# KiCad board panel_rp2354_20x20.kicad_pcb (continued)
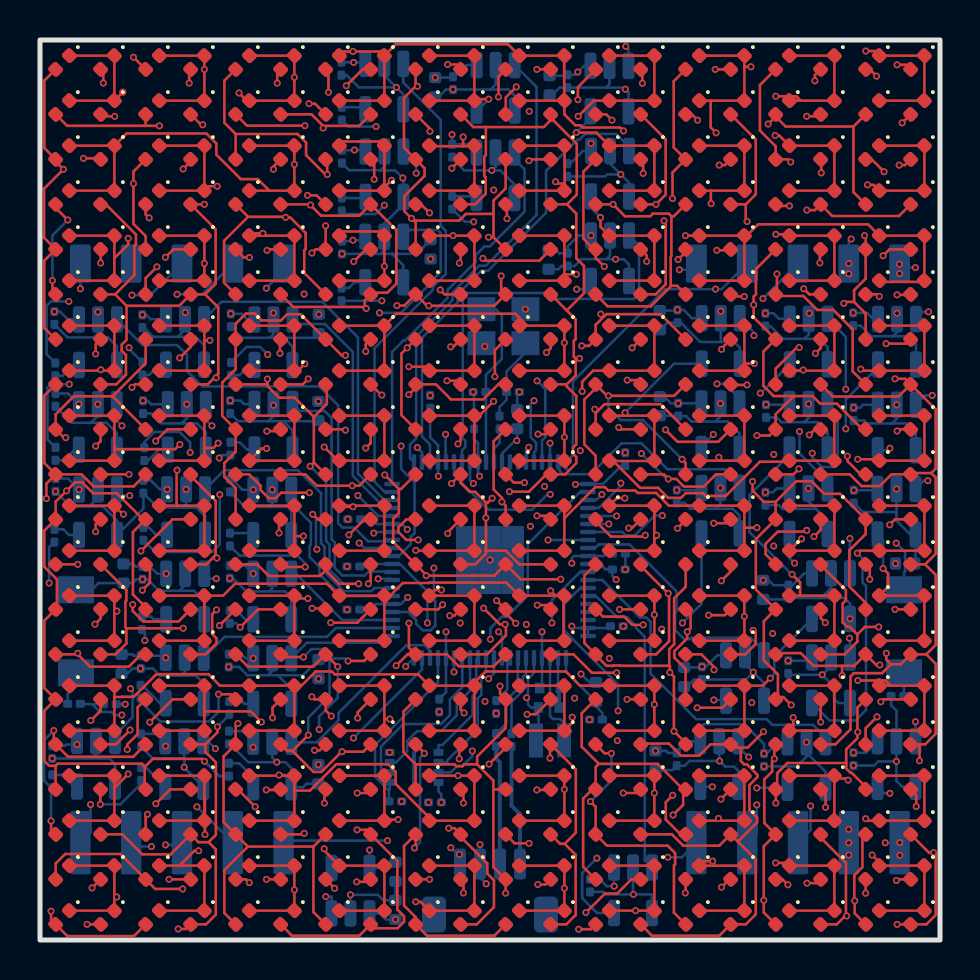
[diagram p0: board, top side]
## Routing (per net, layer and track width the routed paths; a pad name or vN(x,y) marks a point on that pad's centre or on a via; arc(x,y) is an arc through that point) (continued)
Net-(D241-A): length 158
  Top w0.127: v1(31.87,20.58) 32.28,20.99 D255.2 ; 28.18,31.16 28.31,31.29 31.02,31.29 D257.2 ; 28.18,31.16 v1(28.04,31.29) ; 28.18,31.16 27.78,30.76 D244.2 27.46,29.71 v1(27.09,29.71) ; v1(31.63,37.07) 31.63,38.38 D259.2 31.69,39.63 31.69,42.94 D260.2 ; v1(26.89,42.01) 26.89,42.64 D241.2 ; 27.86,26.42 27.78,26.35 D245.2 ; 27.86,26.42 28.23,26.79 31.02,26.79 D256.2 ; 27.86,26.42 v1(27.74,26.54) ; D246.2 27.78,20.94 28.54,20.17 30.2,20.17 v1(30.26,20.24) ; D258.2 32.28,34.4 v1(31.9,34.02) ; 32.16,7.53 D252.2 ; 32.16,7.53 32.16,6.76 v1(31.65,6.25) ; 32.16,7.53 30.88,8.81 27.94,8.81 ; D242.2 27.17,38.42 27.17,35.06 27.7,34.53 D243.2 27.78,34.11 v1(28.21,33.67) ; 27.94,8.81 27.09,9.66 27.09,11.34 D248.2 ; 27.94,8.81 27.78,8.65 D249.2 27.62,7.53 27.16,7.07 27.16,3.66 D250.2 ; D247.2 28.15,16.17 29.2,16.17 29.62,15.75 v1(30.16,15.75) ; v1(32.27,2.35) 32.28,2.37 D251.2 ; D254.2 32.53,16.29 32.53,15.58 v1(32.36,15.41) 32.36,15.08 31.72,14.44 31.72,14.12 32.28,13.55 D253.2
  In3.Cu w0.127: v1(27.74,26.54) 27.74,30.99 v1(28.04,31.29) 28.04,33.5 v1(28.21,33.67) ; v1(22.69,37.5) 23.3,38.12 23.3,40.28 v1(24.46,41.44) ; v1(32.27,2.35) 31.78,2.84 31.78,6.13 v1(31.65,6.25) 31.19,6.71 31.19,11.95 31.09,12.06 v1(31.09,15.54) 30.37,15.54 v1(30.16,15.75) 30.26,15.86 v1(30.26,20.24) 30.26,23.62 32.35,25.71 32.35,33.66 31.99,34.02 v1(31.9,34.02) 31.9,36.8 v1(31.63,37.07)
  In4.Cu w0.127: v1(24.46,41.44) 25.04,42.01 v1(26.89,42.01) ; v1(27.09,29.71) 26.87,29.49 25.84,29.49 25.25,30.08 9.82,30.08 9.21,29.47 6.83,29.47 6.61,29.25 3.36,29.25 2.94,29.67 2.63,29.67 1.47,28.51 v1(1.47,27.79) ; v1(31.63,37.07) 31.2,37.5 v1(22.69,37.5) ; v1(32.36,15.41) 31.22,15.41 v1(31.09,15.54) ; v1(28.21,33.67) 28.39,33.5 31.38,33.5 v1(31.9,34.02) ; v1(31.87,20.58) 31.86,20.6 30.63,20.6 v1(30.26,20.24)
  Bottom w0.127: R21.2 0.38,25.02 0.38,27.62 0.55,27.79 v1(1.47,27.79)
Net-(D261-A): length 150.2
  Top w0.127: v1(33.96,38.75) 34.25,38.75 D279.2 ; v1(30.16,38.33) 30.16,38.91 D262.2 ; v1(34.08,29.53) 34.08,29.58 D277.2 ; D263.2 30.33,34.23 v1(30.33,33.93) ; v1(29.16,7.35) 29.85,7.35 D269.2 ; v1(34.08,2.64) 34.47,3.03 D271.2 ; D272.2 34.53,7.53 v1(34.05,7.04) ; D266.2 29.6,20.6 v1(29.43,20.6) ; D270.2 29.57,3.03 28.86,2.32 28.25,2.32 v1(27.3,1.37) ; v1(30.12,42.84) 30.12,43.45 D261.2 ; D274.2 34.24,16.24 v1(33.43,16.24) ; v1(33.84,34.49) 34.49,34.49 D278.2 ; v1(31.27,25.51) 31.88,24.91 33.91,24.91 D276.2 ; D265.2 29.03,25.53 v1(28.94,25.63) ; v1(33.69,20.84) 34.34,20.84 D275.2 ; v1(28.98,16.53) 28.98,16.53 D267.2 ; v1(32.86,11.61) 34.11,11.61 D273.2 ; D280.2 v1(33.76,43.53) ; v1(29.61,29.61) D264.2 ; D268.2 v1(29.35,12.03)
  In3.Cu w0.127: 33.43,20.84 v1(33.43,16.24) 33.43,14.71 32.68,13.97 32.68,11.79 v1(32.86,11.61) ; 33.43,20.84 33.28,20.99 33.28,28.74 v1(34.08,29.53) ; 33.43,20.84 v1(33.69,20.84) ; v1(29.43,20.6) 29.63,20.4 29.63,17.19 v1(28.98,16.53) 28.79,16.34 28.79,14.27 29.35,13.71 v1(29.35,12.03) 29.35,7.54 v1(29.16,7.35) 29.16,2.61 27.93,1.37 v1(27.3,1.37) ; v1(28.94,25.63) 28.89,25.68 28.89,28.89 v1(29.61,29.61) 29.61,33.2 v1(30.33,33.93) 30.33,38.15 v1(30.16,38.33) 30.16,39.93 31.59,41.37 ; v1(34.05,7.04) 34.31,6.78 34.31,2.88 v1(34.08,2.64) ; 31.59,41.37 v1(33.76,43.53) ; 31.59,41.37 v1(30.12,42.84)
  In4.Cu w0.127: v1(1.44,31.93) 1.53,31.84 11.81,31.84 12.84,32.87 20.16,32.87 20.2,32.84 23.21,32.84 23.28,32.91 31.98,32.91 32.37,33.29 32.37,34.42 ; v1(28.94,25.63) 31.15,25.63 v1(31.27,25.51) ; v1(33.96,38.75) 33.55,38.33 v1(30.16,38.33) ; v1(32.86,11.61) 32.66,11.41 29.97,11.41 v1(29.35,12.03) ; v1(29.16,7.35) 29.64,6.87 33.87,6.87 v1(34.05,7.04) ; 32.37,34.42 32.44,34.49 v1(33.84,34.49) ; 32.37,34.42 30.82,34.42 v1(30.33,33.93) ; v1(29.61,29.61) 29.68,29.53 v1(34.08,29.53)
  Bottom w0.127: R22.2 0.33,29.29 0.33,31.71 0.55,31.93 v1(1.44,31.93)
Net-(D281-A): length 131.9
  Top w0.127: D292.2 32.03,5.28 31.29,6.02 31.29,6.89 v1(31.64,7.24) ; D297.2 31.71,27.21 v1(28.42,27.21) 28.35,27.21 D284.2 27.78,27.59 27.21,27.02 27.21,24.78 27.78,24.22 D285.2 ; D295.2 32.28,17.66 31.71,17.08 31.71,14.79 31.46,14.54 31.46,13.71 ; v1(27.52,6.92) 27.78,6.66 D289.2 28.35,4.72 31.38,4.72 31.76,4.34 31.76,3.79 31.7,3.73 31.7,1.37 D291.2 ; D298.2 31.86,32.71 31.57,32.71 ; v1(32.1,24.04) 32.28,23.86 D296.2 ; D283.2 28.38,31.68 30.54,31.68 31.57,32.71 ; 31.57,36.19 31.69,36.19 D299.2 ; 31.57,36.19 31.44,36.32 30.64,36.32 30.51,36.19 29.25,36.19 v1(28.65,36.78) D282.2 ; 31.57,36.19 31.57,34.2 31.54,34.17 31.54,32.74 31.57,32.71 ; 31.46,13.71 29,13.71 28.99,13.73 28.69,13.73 28.67,13.71 28.32,13.71 27.78,14.25 D287.2 27.22,14.85 27.22,18.22 D286.2 ; 31.46,13.71 31.49,13.68 v1(31.49,13.38) 31.7,13.17 v1(31.7,10.44) 32.28,9.86 D293.2 ; D281.2 28.31,41.28 v1(28.6,40.99) ; v1(33.7,13.51) 33.7,13.65 33.07,14.28 D294.2 ; D288.2 28.23,9.33 v1(28.57,9.33) ; D300.2 32.59,41.28 v1(32.88,40.99) ; D290.2 27.54,0.54 v1(26.93,0.54)
  In3.Cu w0.127: v1(28.6,40.99) 28.6,36.83 v1(28.65,36.78) 29.19,36.25 29.19,33.62 28.42,32.86 v1(28.42,27.21) ; v1(32.1,24.04) 32.3,23.84 32.3,17.37 31.59,16.66 31.59,10.55 v1(31.7,10.44) 31.64,10.38 v1(31.64,7.24) ; v1(26.93,0.54) 26.88,0.59 26.88,6.28 v1(27.52,6.92)
  In4.Cu w0.127: v1(31.7,10.44) 29.85,10.44 28.75,9.33 v1(28.57,9.33) ; v1(31.49,13.38) 31.62,13.25 33.44,13.25 v1(33.7,13.51) ; v1(28.65,36.78) 28.61,36.74 v1(17.22,36.74) ; v1(28.6,40.99) 28.68,41.07 32.8,41.07 v1(32.88,40.99)
  Bottom w0.127: R23.2 15.25,36.3 16.78,36.3 v1(17.22,36.74) ; v1(28.57,9.33) 28.57,7.97 v1(27.52,6.92) ; v1(28.42,27.21) 28.42,26.61 29.04,26 30.14,26 v1(32.1,24.04)
Net-(D301-A): length 131.4
  Top w0.127: v1(34.07,17.96) 34.53,18.42 D315.2 ; D306.2 30.03,18.71 v1(31.41,17.33) 31.45,17.29 31.45,14.93 30.8,14.28 D307.2 ; D317.2 34.56,27.75 v1(35.35,27.75) ; D318.2 34.64,32.17 v1(35.21,32.17) ; D303.2 30.78,32.28 31.28,32.78 31.28,35.87 v1(31.2,35.96) ; 34.89,4.92 35.79,4.03 35.79,1.28 35.29,0.78 D311.2 33.97,0.22 30.6,0.22 D310.2 ; 34.89,4.92 35.85,5.88 35.85,6.12 35.47,6.5 35.47,7.75 35.87,8.15 35.87,8.26 35.35,8.78 35.21,8.78 35.04,8.95 35.04,9.62 ; 34.89,4.92 D312.2 33.97,4.72 32.16,4.72 31.59,5.28 D309.2 ; D320.2 35.79,40.03 35.79,37.28 35.29,36.78 ; D301.2 31.28,40.03 31.28,37.26 v1(30.8,36.78) D302.2 ; v1(35.35,35.92) 35.29,35.99 35.29,36.78 ; D316.2 33.8,23.28 33.18,22.67 32.19,22.67 31.81,23.05 v1(31.42,23.05) 31.19,23.28 D305.2 ; 35.29,36.78 D319.2 ; v1(35.66,15.48) 35.78,15.36 35.78,14.8 35.26,14.28 D314.2 ; 35.04,9.62 34.69,9.62 D313.2 33.52,9.78 32.96,9.22 32.05,9.22 31.45,9.82 30.07,9.82 D308.2 ; 35.04,9.62 35.38,9.62 v1(36.18,10.42) ; v1(29.36,27.99) 29.82,27.99 D304.2
  In3.Cu w0.127: v1(31.41,17.33) 31.51,17.43 31.51,21.67 31.42,21.76 v1(31.42,23.05) ; v1(35.35,27.75) 35.21,27.89 v1(35.21,32.17) 35.21,35.78 v1(35.35,35.92) ; v1(31.2,35.96) 31,35.96 ; 31,35.96 31,36.58 v1(30.8,36.78) ; 31,35.96 31,29.63 v1(29.36,27.99) 30.07,27.28 v1(30.07,24.32) ; v1(36.63,15.33) 36.63,13.49 36.92,13.2 36.92,11.16 v1(36.18,10.42)
  In4.Cu w0.127: v1(31.2,35.96) 35.32,35.96 v1(35.35,35.92) ; v1(17.09,31.96) 17.27,32.14 35.18,32.14 v1(35.21,32.17) ; v1(36.63,15.33) 35.81,15.33 v1(35.66,15.48) 33.26,15.48 v1(31.41,17.33) 33.44,17.33 v1(34.07,17.96)
  Bottom w0.127: v1(30.07,24.32) 31.34,23.05 v1(31.42,23.05) ; R24.2 v1(17.09,31.96)
Net-(D321-A): length 130.9
  Top w0.127: D333.2 40.87,11.62 40.87,10.4 ; v1(37.56,11.75) 37.16,12.15 36.9,12.15 ; D337.2 41.28,31.32 40.7,31.91 ; v1(37.54,38.9) 37.4,39.03 D322.2 36.78,39.69 36,40.47 36,42.75 D321.2 ; 40.31,8.85 40.31,8.57 40.52,8.36 40.59,8.36 41.28,7.66 D332.2 ; 40.31,8.85 37.37,8.85 36.86,8.34 36.86,7.61 D329.2 36.79,7.52 v1(36.79,6.85) ; 40.31,8.85 40.31,9.53 40.87,10.09 40.87,10.4 ; D334.2 41.28,16.86 40.47,17.67 40.47,19.48 41.28,20.3 D335.2 40.01,22.31 39.21,22.31 38.58,22.94 37.82,22.94 36.78,21.91 ; v1(35.84,25.22) 36.47,25.22 D325.2 36.78,26.29 37.69,27.2 ; 36.9,12.15 36.9,13.28 36.19,13.98 36.19,15.94 D327.2 35.79,17.52 35.79,20.04 D326.2 36.78,21.91 ; 36.9,12.15 D328.2 ; 36.78,21.91 36.19,21.91 35.63,22.47 v1(35.63,22.93) ; 40.7,31.91 40.27,31.91 v1(40.19,31.83) ; 40.7,31.91 40.7,32.48 41.28,33.06 D338.2 41.28,35.17 v1(41.23,35.22) ; v1(41.83,43.19) 41.49,43.53 D340.2 ; 37.69,27.2 36.68,27.2 36.17,27.71 36.17,29.42 D324.2 35.68,31.13 v1(35.68,31.76) 35.68,32.17 35.8,32.29 35.8,33.55 D323.2 ; 37.69,27.2 38.63,27.2 39.01,26.82 39.84,26.82 41.13,25.53 D336.2 ; v1(37.4,2.76) 37.12,3.03 D330.2 ; 40.87,10.4 v1(40.89,10.4) ; v1(42.2,38.41) 41.59,39.03 D339.2 ; v1(41.28,2.34) D331.2
  In3.Cu w0.127: v1(35.63,22.93) 35.84,23.14 v1(35.84,25.22) ; v1(41.23,35.22) 42.2,36.2 v1(42.2,38.41) 42.2,42.82 v1(41.83,43.19) ; v1(36.79,6.85) 36.37,6.43 36.37,3.66 37.27,2.76 v1(37.4,2.76) ; v1(13.21,32.3) 11.39,30.48 v1(11.39,29.27)
  In4.Cu w0.127: 35.68,31.7 34.9,30.92 16.38,30.92 15,32.3 v1(13.21,32.3) ; 35.68,31.7 36.8,31.7 36.92,31.83 v1(40.19,31.83) ; 35.68,31.7 v1(35.68,31.76) ; v1(42.2,38.41) 39.83,38.41 39.36,37.95 38.49,37.95 v1(37.54,38.9) ; v1(41.28,2.34) 37.82,2.34 v1(37.4,2.76) ; v1(37.56,11.75) 38.91,10.4 v1(40.89,10.4)
  Bottom w0.127: v1(11.39,29.27) 11.01,29.65 10.33,29.65 R25.2
Net-(D341-A): length 139.6
  Top w0.127: D355.2 42.75,21.03 v1(42.48,20.76) ; D354.2 v1(42.75,16.53) ; v1(39.26,15.87) 39.03,16.1 D347.2 ; D343.2 38.99,34.49 v1(38.99,33.85) ; v1(38.77,29.33) 39.03,29.59 D344.2 ; v1(39.06,38.35) 39.06,39 D342.2 ; v1(38.35,2.84) 38.84,2.84 D350.2 ; D349.2 39.28,7.29 v1(39.28,6.64) ; D346.2 39.03,20.5 v1(38.7,20.17) ; v1(38.75,42.96) 38.75,43.25 D341.2 ; v1(42.16,34.21) 42.47,34.53 D358.2 ; v1(38.46,25.25) 38.74,25.53 D345.2 ; D360.2 43.31,43.76 v1(42.85,43.76) ; v1(42.96,38.75) 43.25,38.75 D359.2 ; v1(42.04,11.91) 42.16,12.03 D353.2 ; D357.2 43.32,29.82 v1(42.3,29.82) ; v1(42.82,2.97) 42.88,3.03 D351.2 ; v1(39.03,10.9) D348.2 ; v1(42.86,25.45) 42.94,25.53 D356.2 ; v1(43.81,6.68) 43.81,7.25 D352.2
  In3.Cu w0.127: v1(42.82,2.97) 43.81,3.97 v1(43.81,6.68) ; v1(42.86,25.45) 42.75,25.45 42.13,24.83 42.13,20.76 ; v1(38.46,25.25) 38.82,25.62 38.82,29.28 v1(38.77,29.33) 38.99,29.55 v1(38.99,33.85) 39.06,33.92 v1(39.06,38.35) 39.06,42.64 v1(38.75,42.96) ; 42.13,20.76 42.13,19.2 41.74,18.81 41.74,18.3 42.75,17.3 v1(42.75,16.53) 42.75,12.62 v1(42.04,11.91) ; 42.13,20.76 v1(42.48,20.76) ; v1(39.26,15.87) 39.26,19.61 v1(38.7,20.17) ; v1(39.28,6.64) 39.28,10.65 v1(39.03,10.9)
  In4.Cu w0.127: v1(43.81,6.68) 43.61,6.88 43.61,10.34 v1(42.04,11.91) 41.03,10.9 v1(39.03,10.9) ; v1(42.3,29.82) 42.17,29.68 38.77,29.68 ; 38.77,29.68 37.87,30.59 5.43,30.59 v1(4.45,29.61) ; 38.77,29.68 v1(38.77,29.33) ; v1(38.35,2.84) 42.69,2.84 v1(42.82,2.97) ; v1(42.86,25.45) 42.58,25.18 38.54,25.18 v1(38.46,25.25) ; v1(42.85,43.76) 42.85,43.7 41.98,42.83 38.88,42.83 v1(38.75,42.96) ; v1(39.06,38.35) 39.49,38.78 42.92,38.78 v1(42.96,38.75) ; v1(42.16,34.21) 39.35,34.21 v1(38.99,33.85) ; v1(42.48,20.76) 41.44,19.71 39.16,19.71 v1(38.7,20.17)
  Bottom w0.127: R26.2 4.45,29.56 v1(4.45,29.61)
Net-(D361-A): length 131
  Top w0.127: D362.2 36.86,36.71 v1(37.47,36.71) ; v1(41.96,32.18) 41.86,32.28 D378.2 ; D364.2 36.78,28.57 37.84,29.62 v1(37.96,29.62) ; v1(41.99,13.75) 41.81,13.75 D374.2 40.71,13.71 40.1,13.71 ; v1(41.85,11.16) 41.28,10.59 D373.2 ; v1(36.85,33.3) 36.85,32.35 D363.2 36.87,32.2 38.17,32.2 38.86,31.5 39.67,31.5 40.63,30.54 40.63,28.43 D377.2 ; 36.78,41.17 37.28,40.67 40.67,40.67 ; 36.78,41.17 D361.2 ; 36.78,41.17 v1(36.41,40.8) ; 40.67,40.67 40.67,37.39 D379.2 ; 40.67,40.67 D380.2 ; 40.1,13.71 38.67,13.71 38.04,14.34 36.84,14.34 D367.2 ; 40.1,13.71 v1(40.1,13.22) ; v1(38.34,20.48) 38.27,20.42 36.89,20.42 36.28,19.81 36.28,19.28 D366.2 ; D365.2 37.67,23.28 v1(37.95,23.56) ; D370.2 36.19,1.38 v1(36.19,1.99) 36.19,4.69 D369.2 36.21,5.85 36.21,8.03 36.61,8.42 36.61,8.95 v1(36.72,9.06) 36.72,9.72 D368.2 ; D371.2 40.73,1.33 v1(40.73,1.96) 40.72,1.98 40.72,3.24 41.12,3.65 41.12,5.12 D372.2 ; D375.2 41.49,18.57 v1(41.49,18.04) ; v1(40.36,24.19) 40.36,23.96 41.04,23.28 D376.2
  In3.Cu w0.127: v1(37.96,29.62) 37.59,29.62 ; 37.59,29.62 37.59,25.19 38.08,24.71 ; 37.59,29.62 37.59,32.65 36.95,33.3 ; 37.17,36.71 37.17,40.33 36.7,40.8 v1(36.41,40.8) ; 37.17,36.71 v1(37.47,36.71) ; 37.17,36.71 37.17,33.52 36.95,33.3 ; 38.08,24.71 38.08,23.68 v1(37.95,23.56) 37.95,20.87 v1(38.34,20.48) 38.4,20.54 38.85,20.54 40.1,19.29 v1(40.1,13.22) ; 38.08,24.71 39.84,24.71 v1(40.36,24.19) ; v1(41.49,18.04) 41.49,14.25 v1(41.99,13.75) 41.99,12.4 41.67,12.08 41.67,11.33 v1(41.85,11.16) ; 36.95,33.3 v1(36.85,33.3)
  In4.Cu w0.127: v1(36.19,1.99) 40.71,1.99 v1(40.73,1.96) ; v1(41.96,32.18) 41.95,32.19 37.95,32.19 v1(36.85,33.3) ; v1(36.72,9.06) 39.76,9.06 40.73,10.03 41.04,10.03 41.85,10.85 v1(41.85,11.16) ; v1(16.8,40.67) 16.93,40.8 28.28,40.8 28.45,40.63 28.83,40.63 29.03,40.82 29.33,40.82 29.52,40.63 33.56,40.63 33.73,40.8 v1(36.41,40.8)
  Bottom w0.127: v1(16.8,40.67) 15.42,40.67 R27.2
Net-(D381-A): length 123.6
  Top w0.127: D381.2 38.93,41.18 v1(38.33,41.18) ; 44.31,14.28 D394.2 43.04,13.79 42.55,13.79 ; 44.31,14.28 44.78,14.75 44.78,18.26 44.26,18.78 ; 44.31,14.28 44.78,13.81 44.78,10.31 44.26,9.78 43.98,9.78 ; 40.3,1.24 40.3,3.85 39.03,5.12 D389.2 ; 40.3,1.24 39.84,0.78 D390.2 ; 40.3,1.24 v1(40.34,1.2) ; D397.2 42.92,27.17 39.64,27.17 D384.2 ; D397.2 43.25,28.06 v1(42.75,28.06) ; D397.2 44.78,26.53 44.78,23.57 44.56,23.35 ; 42.55,13.79 42.1,13.34 40.69,13.34 40.52,13.17 40.52,10.55 40.52,10.55 40.52,10.53 39.77,9.78 D388.2 ; 42.55,13.79 42.32,14.02 v1(42.32,14.34) ; v1(42.85,32.26) 43.51,32.26 D398.2 ; D392.2 44.44,4.37 v1(44.68,4.37) 44.78,4.27 44.78,1.24 44.32,0.78 D391.2 v1(42.86,0.78) ; 40.87,15.28 41.24,15.65 v1(41.94,15.65) ; 40.87,15.28 40.87,14.92 40.23,14.28 D387.2 ; 40.87,15.28 40.48,15.66 40.35,15.66 40.13,15.88 40.13,16.82 40.29,16.98 40.29,17.49 39.03,18.75 D386.2 ; 44.56,23.35 44.78,23.13 44.78,19.31 44.26,18.78 ; 44.56,23.35 43.6,23.35 D396.2 42.57,23.28 41.99,22.7 41.08,22.7 40.49,23.28 D385.2 ; D399.2 42.95,36.2 39.61,36.2 D382.2 38.75,36.5 v1(38.34,36.5) ; 44.26,18.78 D395.2 ; v1(43.11,40.86) D400.2 ; D393.2 43.98,9.78 ; 43.98,9.78 v1(43.98,8.96) ; D383.2 38.47,32.28 v1(38.19,32.56)
  In3.Cu w0.127: v1(42.75,28.06) 42.75,30.34 42.48,30.6 42.48,31.89 v1(42.85,32.26) ; v1(44.68,4.37) 44.68,8.26 v1(43.98,8.96) ; v1(38.19,32.56) 38.19,36.35 38.33,36.5 ; 38.33,36.5 v1(38.34,36.5) ; 38.33,36.5 v1(38.33,41.18) ; v1(42.32,14.34) 41.94,14.72 v1(41.94,15.65)
  In4.Cu w0.127: v1(43.11,40.86) 42.78,41.18 v1(38.33,41.18) ; v1(40.34,1.2) 42.43,1.2 v1(42.86,0.78) ; v1(42.85,32.26) 42.55,32.56 v1(38.19,32.56) ; v1(21.69,35.91) 22,35.59 35.17,35.59 35.2,35.56 36.41,35.56 37.19,36.34 38.19,36.34 v1(38.34,36.5)
  Bottom w0.127: v1(21.69,35.91) 21.25,35.91 R28.2
Net-(R2-Pad1): length 1.2
  Bottom w0.127: R2.1 43.19,13.36 SW2.1
Net-(U2-USB_DM): length 4.1
  Bottom w0.127: R8.2 23.58,11.9 24.14,12.47 24.14,12.48 24.15,12.49 24.15,13.15 24.3,13.31 U2.66
Net-(U2-USB_DP): length 4.2
  Bottom w0.127: R7.2 23.32,10.84 23.32,12 23.89,12.57 23.89,13.64 23.9,13.65 U2.67

## Copper pours and planes (outline as drawn; the poured copper is in the pictures)
+1V1 on Bottom: 23.9,12.08 23.9,11.42 24.15,11.17 24.35,11.17 24.55,11.38 24.75,11.38 24.75,11.22 24.45,10.92 24.45,9.12 25.15,9.12 25.15,11.89 25.05,11.89 25.05,12.08 24.5,12.08 24.3,12.28 24.1,12.28
+5V on In2.Cu: 0,45 0,0 45,0 45,45
GND on Bottom: 25.8,14.12 25.8,11.38 26.6,11.38 26.9,11.67 26.9,12.42 26,13.33 26,14.12
GND on In1.Cu: 0,45 0,0 45,0 45,45
/panel_mcu/VREG_LX on Bottom: 25.4,14.03 25.4,13.22 25.35,13.17 25.35,11.03 25.85,10.53 25.85,9.12 26.55,9.12 26.55,10.83 26.25,11.12 25.8,11.12 25.65,11.28 25.65,13.17 25.6,13.22 25.6,14.03

Small or netless copper shapes (teardrops, artwork), in the pictures only: 1 on Bottom
